# Altium PCB WL-MAIN.PcbDoc (part 4 of 4)
Units mm, origin at the board's own origin, x right, y up, seen from the top; angles counter-clockwise.
Board outline 144 x 83.65 mm, 4 copper layers (Top Layer, Layer 2, Layer 3, Bottom Layer), stack 1.57 mm thick; 403 components, 327 nets, 1552 pads, 622 vias.
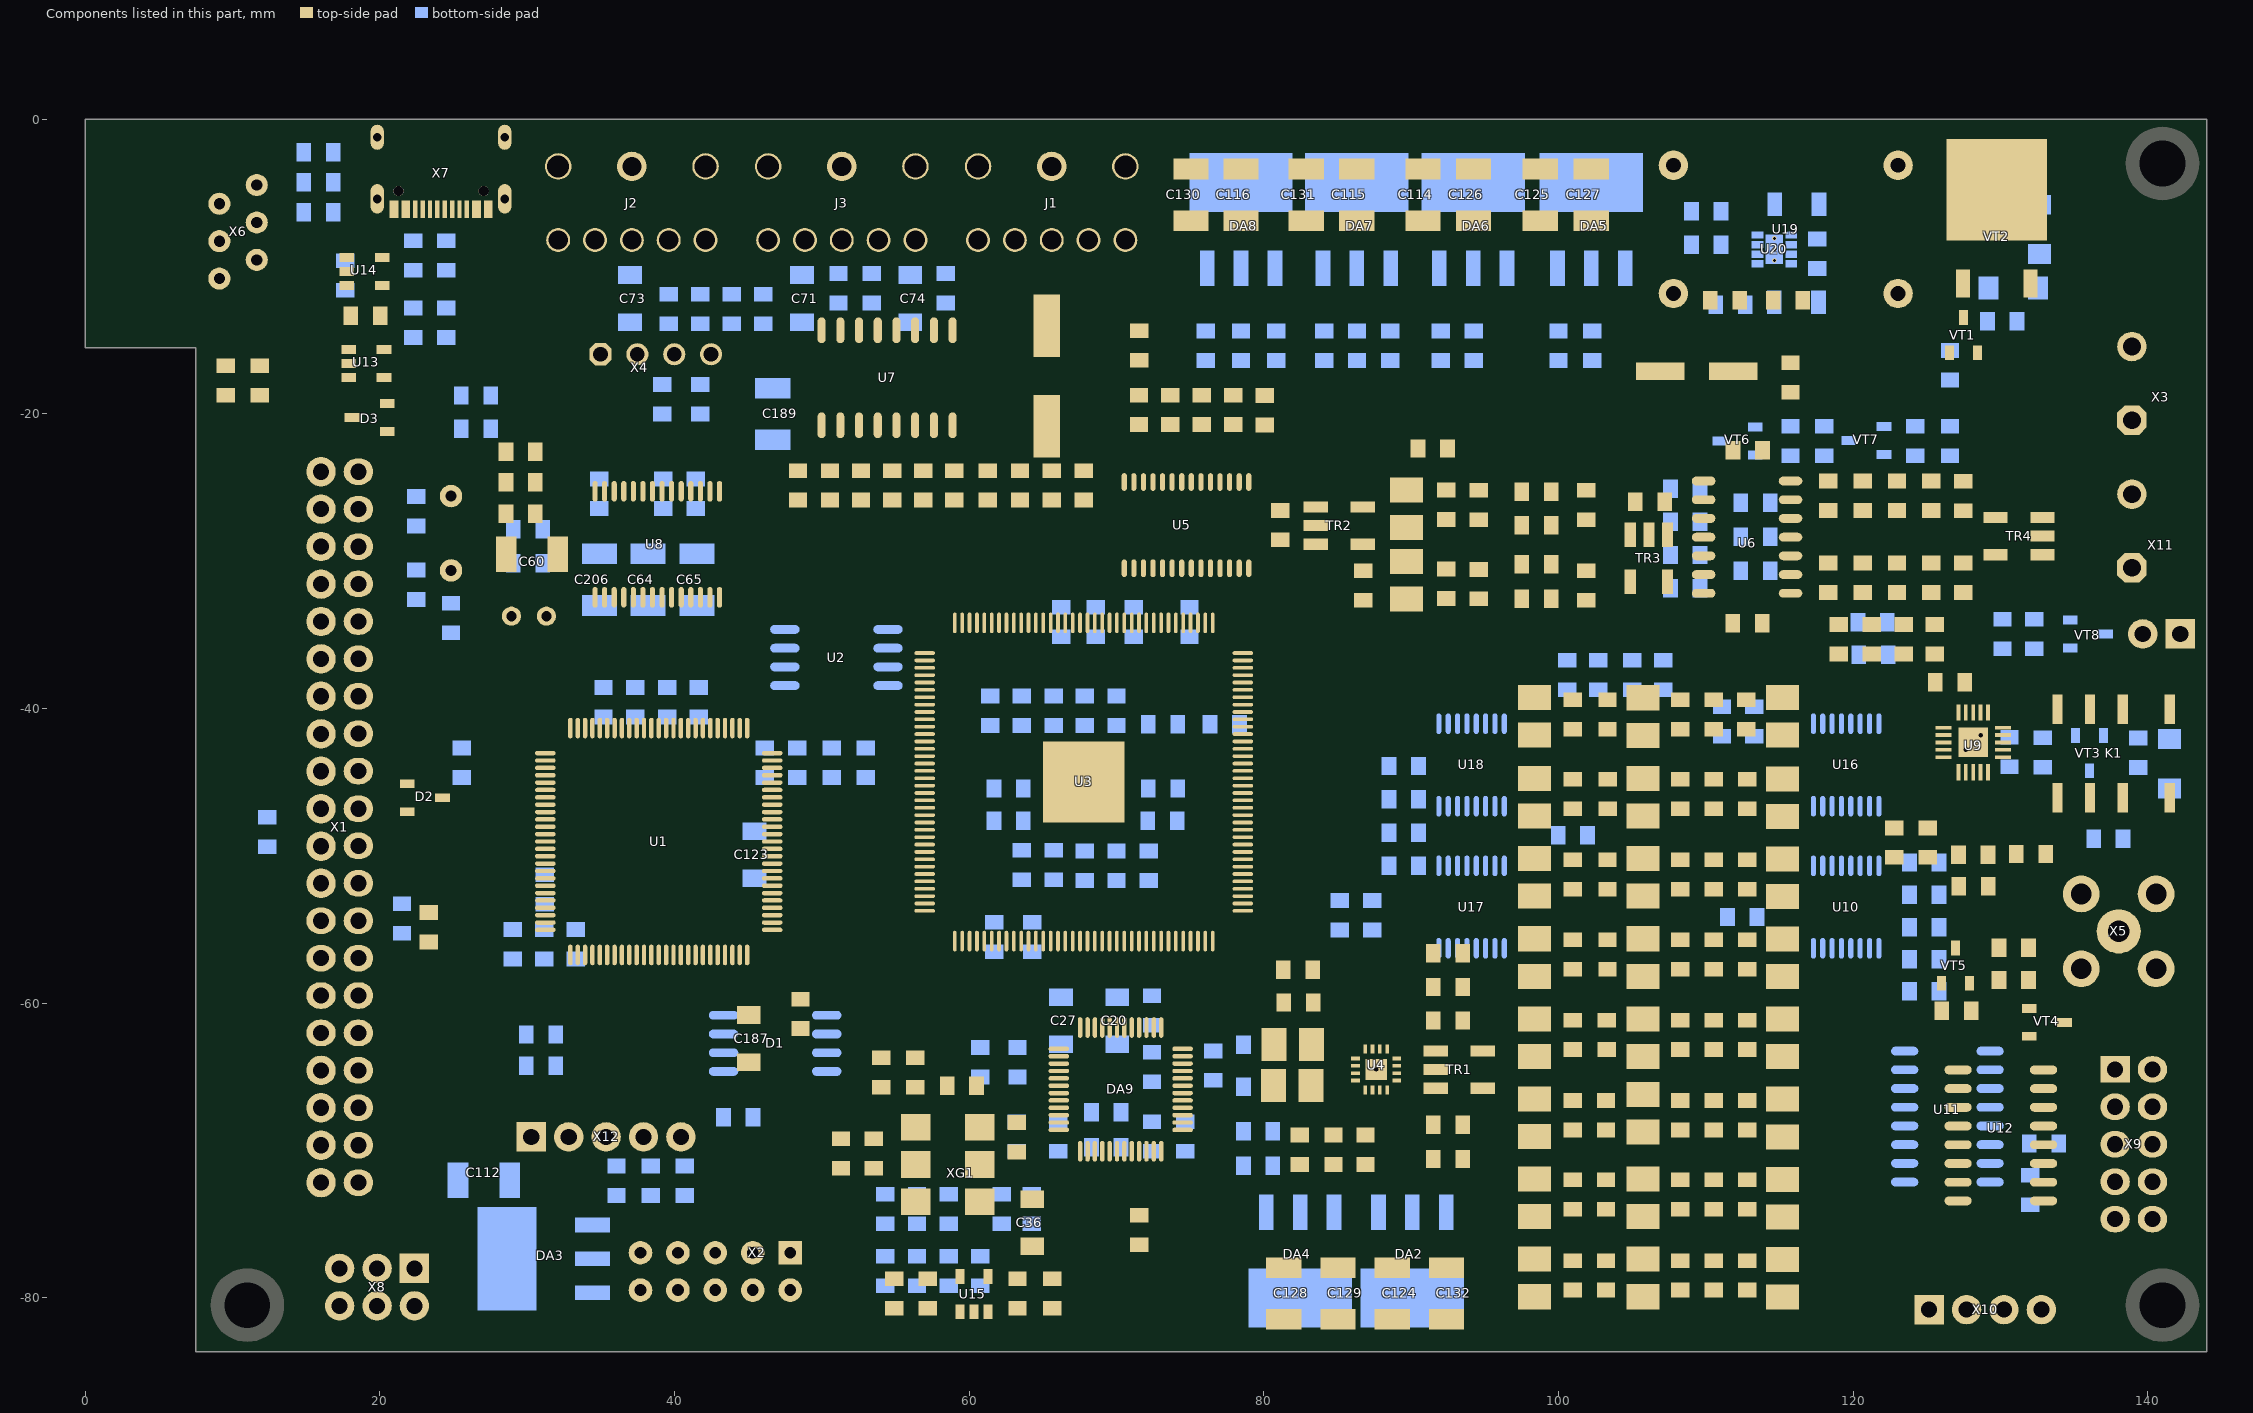
[diagram p6: the components of this part, seen from the top]

## Silkscreen, mask and mechanical layers (free items; w line width, h text height)
Top Overlay:
  lines w0.2: 138.158,-11.749 139.708,-11.749 ; 138.95,-12.525 138.95,-10.975
  text "CW" at 29.65,-10.575 h1.52 r90
  text "PHONE" at 49.35,-12.55 h1.52
  text "LINE" at 66.75,-12.55 h1.5
  text "Wolf-Lite" at 80.019,-12.658 h5
  text "UA3REO" at 80.85,-15.068 h3
  text "RA3RBE" at 92.254,-15.068 h3
  text "R7KBI" at 87.882,-17.437 h3
  text "https://t.me/TRX_Wolf" at 81.5,-19.9 h2
  text "LOUT" at 34.355,-19.984 h1.52
  text "ROUT" at 39.425,-19.984 h1.52
  text "." at 33.6,-33.65 h5
  text "TX" at 135.9,-35.475 h1.52
  text "0-53" at 116.75,-42.482 h1.6
  text "19-32" at 116.609,-46.511 h1.6
  text "13.8-22.1" at 116.5,-52.133 h1.5
  text "DFU" at 25.858,-56.175 h1.5 r90
  text "11-14.8" at 116.575,-57.382 h1.6
  text "." at 74.95,-59.375 h5
  text "7.5-12.3" at 116.8,-62.732 h1.6
  text "2" at 141.875,-64.825 h1.52
  text "1" at 135.897,-64.875 h1.52
  text "+5V" at 38.388,-67.138 h1.52 r90
  text "UART-TX" at 33.288,-67.238 h1.52 r90
  text "UART-RX" at 30.5,-67.275 h1.52 r90
  text "GND" at 41.013,-67.363 h1.52 r90
  text "4" at 141.876,-67.35 h1.52
  text "STM-67pin" at 35.875,-67.375 h1.52 r90
  text "3" at 135.618,-67.5 h1.52
  text "4.6-7.5" at 116.925,-68.107 h1.6
  text "5" at 135.609,-69.925 h1.52
  text "6" at 141.876,-69.975 h1.52
  text "7" at 135.6,-72.525 h1.52
  text "TX" at 141.925,-72.6 h1.52
  text "TDI" at 38.225,-73.725 h1.52 r90
  text "TMS" at 43.325,-73.725 h1.52 r90
  text "TDO" at 46.025,-73.725 h1.52 r90
  text "TCK" at 48.85,-73.725 h1.52 r90
  text "2.4-4.5" at 116.649,-74.407 h1.6
  text "Power" at 132.475,-75.025 h1.52
  text "GND" at 143.075,-76.3 h1.52 r90
  text "RST" at 17.75,-76.45 h1.52 r90
  text "CLK" at 23.2,-76.475 h1.52 r90
  text "CWO" at 20.9,-76.525 h1.52 r90
  text "1.5-2.5" at 116.725,-78.607 h1.6
  text "FORW" at 130.775,-79 h1.52 r90
  text "BACKW" at 128.275,-79.125 h1.52 r90
  text "ALC" at 125.675,-79.15 h1.52 r90
  text "GND" at 133.3,-79.15 h1.52 r90
  text "V2.2" at 72.1,-82.55 h4
  text "DIO" at 21.3,-83.125 h1.52
Bottom Overlay:
  text "1.2V" at 89.198,-12.6 h1.52
  text "2.5V" at 81.416,-12.625 h1.52
  text "5V" at 96.55,-12.796 h1.52
  text "3.3V" at 105.2,-12.9 h1.52
  text "3.3V" at 26.45,-75.55 h1.52 r90
  text "5V" at 90.875,-83.15 h1.52
  text "3.3V" at 83.95,-83.225 h1.52
Top Solder:
  rectangle: 65.025,-47.75 70.525,-42.225
Bottom Solder:
  rectangle: 28.25,-46.025 31.525,-43.65

## Dimensions
7.5,-83.65 to 0,0 on Size
0,0 to 144,0 on Size

## Text inside footprints (layer, text, board x,y; h text height)
U19: Top Overlay "MP2307 MINI360" at 108.675,-7.975 h2; Top Overlay "GND" at 121.35,-10.425 h1.52; Top Overlay "GND" at 106.6,-10.05 h1.52; Top Overlay "+IN" at 119.675,-3.725 h1.52; Top Overlay "+OUT" at 109.175,-3.725 h1.52